# KiCad board temp sensor_panel.kicad_pcb (continued)
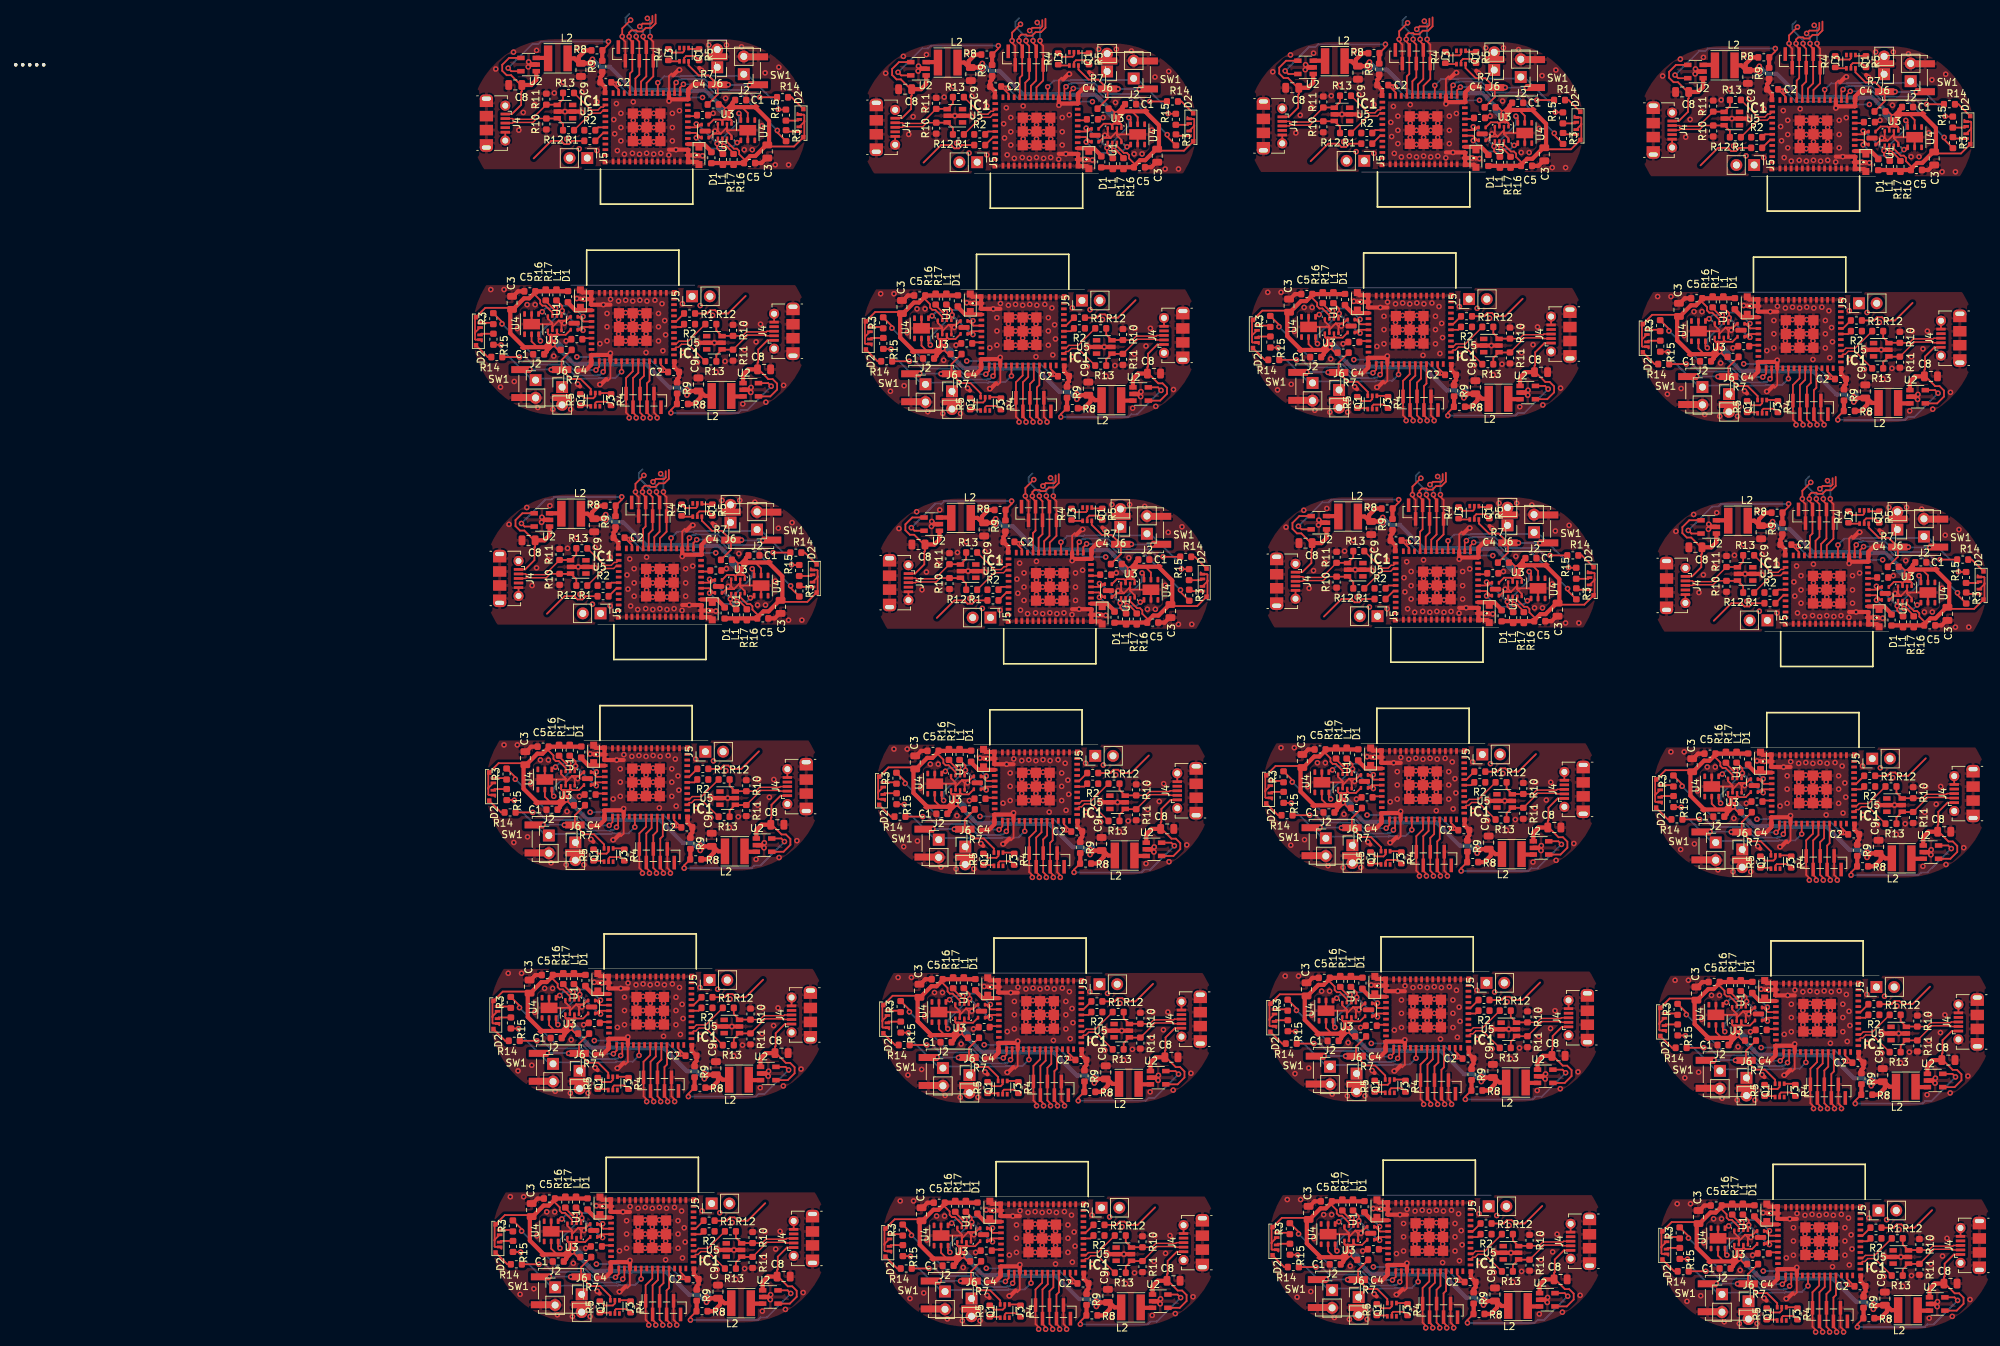
[diagram p0: board, top side]
## Placement (name value [footprint] x y rotation side) (continued)
SW1#24  SW_Push  [SW_Push_1P1T_NO_CK_KSC6xxJ]  54.41 -13.7 180 top
U1  SHTC3  [Sensirion_DFN-4-1EP_2x2mm_P1mm_EP0.7x1.6mm]  0.51 125.44 90 top
U1#2  SHTC3  [Sensirion_DFN-4-1EP_2x2mm_P1mm_EP0.7x1.6mm]  19.26 152.95 270 top
U1#3  SHTC3  [Sensirion_DFN-4-1EP_2x2mm_P1mm_EP0.7x1.6mm]  75.06 152.35 270 top
U1#4  SHTC3  [Sensirion_DFN-4-1EP_2x2mm_P1mm_EP0.7x1.6mm]  56.31 124.84 90 top
U1#5  SHTC3  [Sensirion_DFN-4-1EP_2x2mm_P1mm_EP0.7x1.6mm]  130.46 152.55 270 top
U1#6  SHTC3  [Sensirion_DFN-4-1EP_2x2mm_P1mm_EP0.7x1.6mm]  111.71 125.04 90 top
U1#7  SHTC3  [Sensirion_DFN-4-1EP_2x2mm_P1mm_EP0.7x1.6mm]  186.26 151.95 270 top
U1#8  SHTC3  [Sensirion_DFN-4-1EP_2x2mm_P1mm_EP0.7x1.6mm]  167.51 124.44 90 top
U1#9  SHTC3  [Sensirion_DFN-4-1EP_2x2mm_P1mm_EP0.7x1.6mm]  21.16 87.75 270 top
U1#10  SHTC3  [Sensirion_DFN-4-1EP_2x2mm_P1mm_EP0.7x1.6mm]  2.41 60.24 90 top
U1#11  SHTC3  [Sensirion_DFN-4-1EP_2x2mm_P1mm_EP0.7x1.6mm]  188.16 86.75 270 top
U1#12  SHTC3  [Sensirion_DFN-4-1EP_2x2mm_P1mm_EP0.7x1.6mm]  169.41 59.24 90 top
U1#13  SHTC3  [Sensirion_DFN-4-1EP_2x2mm_P1mm_EP0.7x1.6mm]  76.96 87.15 270 top
U1#14  SHTC3  [Sensirion_DFN-4-1EP_2x2mm_P1mm_EP0.7x1.6mm]  58.21 59.64 90 top
U1#15  SHTC3  [Sensirion_DFN-4-1EP_2x2mm_P1mm_EP0.7x1.6mm]  132.36 87.35 270 top
U1#16  SHTC3  [Sensirion_DFN-4-1EP_2x2mm_P1mm_EP0.7x1.6mm]  113.61 59.84 90 top
U1#17  SHTC3  [Sensirion_DFN-4-1EP_2x2mm_P1mm_EP0.7x1.6mm]  114.21 27.14 90 top
U1#18  SHTC3  [Sensirion_DFN-4-1EP_2x2mm_P1mm_EP0.7x1.6mm]  3.01 27.54 90 top
U1#19  SHTC3  [Sensirion_DFN-4-1EP_2x2mm_P1mm_EP0.7x1.6mm]  170.01 26.54 90 top
U1#20  SHTC3  [Sensirion_DFN-4-1EP_2x2mm_P1mm_EP0.7x1.6mm]  58.81 26.94 90 top
U1#21  SHTC3  [Sensirion_DFN-4-1EP_2x2mm_P1mm_EP0.7x1.6mm]  3.31 -4.46 90 top
U1#22  SHTC3  [Sensirion_DFN-4-1EP_2x2mm_P1mm_EP0.7x1.6mm]  114.51 -4.86 90 top
U1#23  SHTC3  [Sensirion_DFN-4-1EP_2x2mm_P1mm_EP0.7x1.6mm]  170.31 -5.46 90 top
U1#24  SHTC3  [Sensirion_DFN-4-1EP_2x2mm_P1mm_EP0.7x1.6mm]  59.11 -5.06 90 top
U2  TLV62569DBV  [SOT-23-5]  25.78 115.91 0 top
U2#2  TLV62569DBV  [SOT-23-5]  -6.02 162.48 180 top
U2#3  TLV62569DBV  [SOT-23-5]  49.78 161.88 180 top
U2#4  TLV62569DBV  [SOT-23-5]  81.58 115.31 0 top
U2#5  TLV62569DBV  [SOT-23-5]  105.18 162.08 180 top
U2#6  TLV62569DBV  [SOT-23-5]  136.98 115.51 0 top
U2#7  TLV62569DBV  [SOT-23-5]  160.98 161.48 180 top
U2#8  TLV62569DBV  [SOT-23-5]  192.78 114.91 0 top
U2#9  TLV62569DBV  [SOT-23-5]  -4.12 97.28 180 top
U2#10  TLV62569DBV  [SOT-23-5]  27.68 50.71 0 top
U2#11  TLV62569DBV  [SOT-23-5]  194.68 49.71 0 top
U2#12  TLV62569DBV  [SOT-23-5]  51.68 96.68 180 top
U2#13  TLV62569DBV  [SOT-23-5]  83.48 50.11 0 top
U2#14  TLV62569DBV  [SOT-23-5]  107.08 96.88 180 top
U2#15  TLV62569DBV  [SOT-23-5]  138.88 50.31 0 top
U2#16  TLV62569DBV  [SOT-23-5]  162.88 96.28 180 top
U2#17  TLV62569DBV  [SOT-23-5]  28.28 18.01 0 top
U2#18  TLV62569DBV  [SOT-23-5]  195.28 17.01 0 top
U2#19  TLV62569DBV  [SOT-23-5]  84.08 17.41 0 top
U2#20  TLV62569DBV  [SOT-23-5]  139.48 17.61 0 top
U2#21  TLV62569DBV  [SOT-23-5]  28.58 -13.99 0 top
U2#22  TLV62569DBV  [SOT-23-5]  195.58 -14.99 0 top
U2#23  TLV62569DBV  [SOT-23-5]  84.38 -14.59 0 top
U2#24  TLV62569DBV  [SOT-23-5]  139.78 -14.39 0 top
U3  BME280  [Bosch_LGA-8_2.5x2.5mm_P0.65mm_ClockwisePinNumbering]  -2.29 125.44 0 top
U3#2  BME280  [Bosch_LGA-8_2.5x2.5mm_P0.65mm_ClockwisePinNumbering]  22.05 152.95 180 top
U3#3  BME280  [Bosch_LGA-8_2.5x2.5mm_P0.65mm_ClockwisePinNumbering]  77.85 152.35 180 top
U3#4  BME280  [Bosch_LGA-8_2.5x2.5mm_P0.65mm_ClockwisePinNumbering]  53.51 124.84 0 top
U3#5  BME280  [Bosch_LGA-8_2.5x2.5mm_P0.65mm_ClockwisePinNumbering]  133.25 152.55 180 top
U3#6  BME280  [Bosch_LGA-8_2.5x2.5mm_P0.65mm_ClockwisePinNumbering]  108.91 125.04 0 top
U3#7  BME280  [Bosch_LGA-8_2.5x2.5mm_P0.65mm_ClockwisePinNumbering]  189.05 151.95 180 top
U3#8  BME280  [Bosch_LGA-8_2.5x2.5mm_P0.65mm_ClockwisePinNumbering]  164.71 124.44 0 top
U3#9  BME280  [Bosch_LGA-8_2.5x2.5mm_P0.65mm_ClockwisePinNumbering]  23.95 87.75 180 top
U3#10  BME280  [Bosch_LGA-8_2.5x2.5mm_P0.65mm_ClockwisePinNumbering]  -0.39 60.24 0 top
U3#11  BME280  [Bosch_LGA-8_2.5x2.5mm_P0.65mm_ClockwisePinNumbering]  190.95 86.75 180 top
U3#12  BME280  [Bosch_LGA-8_2.5x2.5mm_P0.65mm_ClockwisePinNumbering]  166.61 59.24 0 top
U3#13  BME280  [Bosch_LGA-8_2.5x2.5mm_P0.65mm_ClockwisePinNumbering]  79.75 87.15 180 top
U3#14  BME280  [Bosch_LGA-8_2.5x2.5mm_P0.65mm_ClockwisePinNumbering]  55.41 59.64 0 top
U3#15  BME280  [Bosch_LGA-8_2.5x2.5mm_P0.65mm_ClockwisePinNumbering]  135.15 87.35 180 top
U3#16  BME280  [Bosch_LGA-8_2.5x2.5mm_P0.65mm_ClockwisePinNumbering]  110.81 59.84 0 top
U3#17  BME280  [Bosch_LGA-8_2.5x2.5mm_P0.65mm_ClockwisePinNumbering]  111.41 27.14 0 top
U3#18  BME280  [Bosch_LGA-8_2.5x2.5mm_P0.65mm_ClockwisePinNumbering]  0.21 27.54 0 top
U3#19  BME280  [Bosch_LGA-8_2.5x2.5mm_P0.65mm_ClockwisePinNumbering]  167.21 26.54 0 top
U3#20  BME280  [Bosch_LGA-8_2.5x2.5mm_P0.65mm_ClockwisePinNumbering]  56.01 26.94 0 top
U3#21  BME280  [Bosch_LGA-8_2.5x2.5mm_P0.65mm_ClockwisePinNumbering]  0.51 -4.46 0 top
U3#22  BME280  [Bosch_LGA-8_2.5x2.5mm_P0.65mm_ClockwisePinNumbering]  111.71 -4.86 0 top
U3#23  BME280  [Bosch_LGA-8_2.5x2.5mm_P0.65mm_ClockwisePinNumbering]  167.51 -5.46 0 top
U3#24  BME280  [Bosch_LGA-8_2.5x2.5mm_P0.65mm_ClockwisePinNumbering]  56.31 -5.06 0 top
U4  Si7020-A20  [DFN-6-1EP_3x3mm_P1mm_EP1.5x2.4mm]  -5.59 125.31 270 top
U4#2  Si7020-A20  [DFN-6-1EP_3x3mm_P1mm_EP1.5x2.4mm]  25.35 153.08 90 top
U4#3  Si7020-A20  [DFN-6-1EP_3x3mm_P1mm_EP1.5x2.4mm]  81.15 152.48 90 top
U4#4  Si7020-A20  [DFN-6-1EP_3x3mm_P1mm_EP1.5x2.4mm]  50.21 124.71 270 top
U4#5  Si7020-A20  [DFN-6-1EP_3x3mm_P1mm_EP1.5x2.4mm]  136.55 152.68 90 top
U4#6  Si7020-A20  [DFN-6-1EP_3x3mm_P1mm_EP1.5x2.4mm]  105.61 124.91 270 top
U4#7  Si7020-A20  [DFN-6-1EP_3x3mm_P1mm_EP1.5x2.4mm]  192.35 152.08 90 top
U4#8  Si7020-A20  [DFN-6-1EP_3x3mm_P1mm_EP1.5x2.4mm]  161.41 124.31 270 top
U4#9  Si7020-A20  [DFN-6-1EP_3x3mm_P1mm_EP1.5x2.4mm]  27.25 87.88 90 top
U4#10  Si7020-A20  [DFN-6-1EP_3x3mm_P1mm_EP1.5x2.4mm]  -3.69 60.11 270 top
U4#11  Si7020-A20  [DFN-6-1EP_3x3mm_P1mm_EP1.5x2.4mm]  163.31 59.11 270 top
U4#12  Si7020-A20  [DFN-6-1EP_3x3mm_P1mm_EP1.5x2.4mm]  83.05 87.28 90 top
U4#13  Si7020-A20  [DFN-6-1EP_3x3mm_P1mm_EP1.5x2.4mm]  52.11 59.51 270 top
U4#14  Si7020-A20  [DFN-6-1EP_3x3mm_P1mm_EP1.5x2.4mm]  138.45 87.48 90 top
U4#15  Si7020-A20  [DFN-6-1EP_3x3mm_P1mm_EP1.5x2.4mm]  107.51 59.71 270 top
U4#16  Si7020-A20  [DFN-6-1EP_3x3mm_P1mm_EP1.5x2.4mm]  194.25 86.88 90 top
U4#17  Si7020-A20  [DFN-6-1EP_3x3mm_P1mm_EP1.5x2.4mm]  108.11 27.01 270 top
U4#18  Si7020-A20  [DFN-6-1EP_3x3mm_P1mm_EP1.5x2.4mm]  -3.09 27.41 270 top
U4#19  Si7020-A20  [DFN-6-1EP_3x3mm_P1mm_EP1.5x2.4mm]  163.91 26.41 270 top
U4#20  Si7020-A20  [DFN-6-1EP_3x3mm_P1mm_EP1.5x2.4mm]  52.71 26.81 270 top
U4#21  Si7020-A20  [DFN-6-1EP_3x3mm_P1mm_EP1.5x2.4mm]  164.21 -5.59 270 top
U4#22  Si7020-A20  [DFN-6-1EP_3x3mm_P1mm_EP1.5x2.4mm]  108.41 -4.99 270 top
U4#23  Si7020-A20  [DFN-6-1EP_3x3mm_P1mm_EP1.5x2.4mm]  -2.79 -4.59 270 top
U4#24  Si7020-A20  [DFN-6-1EP_3x3mm_P1mm_EP1.5x2.4mm]  53.01 -5.19 270 top
U5  SN65220  [SOT-23-6]  20.57 122.64 0 top
U5#2  SN65220  [SOT-23-6]  -0.81 155.75 180 top
U5#3  SN65220  [SOT-23-6]  54.99 155.15 180 top
U5#4  SN65220  [SOT-23-6]  76.37 122.04 0 top
U5#5  SN65220  [SOT-23-6]  110.39 155.35 180 top
U5#6  SN65220  [SOT-23-6]  131.77 122.25 0 top
U5#7  SN65220  [SOT-23-6]  187.57 121.64 0 top
U5#8  SN65220  [SOT-23-6]  166.19 154.75 180 top
U5#9  SN65220  [SOT-23-6]  1.09 90.55 180 top
U5#10  SN65220  [SOT-23-6]  22.47 57.44 0 top
U5#11  SN65220  [SOT-23-6]  189.47 56.44 0 top
U5#12  SN65220  [SOT-23-6]  168.09 89.55 180 top
U5#13  SN65220  [SOT-23-6]  78.27 56.84 0 top
U5#14  SN65220  [SOT-23-6]  56.89 89.95 180 top
U5#15  SN65220  [SOT-23-6]  112.29 90.15 180 top
U5#16  SN65220  [SOT-23-6]  133.67 57.05 0 top
U5#17  SN65220  [SOT-23-6]  134.27 24.34 0 top
U5#18  SN65220  [SOT-23-6]  23.07 24.75 0 top
U5#19  SN65220  [SOT-23-6]  190.07 23.75 0 top
U5#20  SN65220  [SOT-23-6]  78.87 24.15 0 top
U5#21  SN65220  [SOT-23-6]  23.37 -7.25 0 top
U5#22  SN65220  [SOT-23-6]  190.37 -8.25 0 top
U5#23  SN65220  [SOT-23-6]  134.57 -7.66 0 top
U5#24  SN65220  [SOT-23-6]  79.17 -7.85 0 top

## Footprints (pads in the part's own frame, mm; a bottom-side part is the same pattern mirrored in y, then rotated)
Bosch_LGA-8_2.5x2.5mm_P0.65mm_ClockwisePinNumbering
  rect 0.35x0.5 smd: 1(-0.975,1.025) 2(-0.325,1.025) 3(0.325,1.025) 4(0.975,1.025) 5(0.975,-1.025) 6(0.325,-1.025) 7(-0.325,-1.025) 8(-0.975,-1.025)
C_0603_1608Metric
  rrect 0.875x0.95 smd: 1(-0.787,0) 2(0.787,0)
C_0805_2012Metric
  rrect 0.975x1.4 smd: 1(-0.938,0) 2(0.938,0)
D_SOD-323_HandSoldering
  rect 1x1 smd: 1(-1.25,0) 2(1.25,0)
DFN-6-1EP_3x3mm_P1mm_EP1.5x2.4mm
  rrect 0.6x0.97 smd: (-0.375,0.6) (-0.375,-0.6) (0.375,0.6) (0.375,-0.6)
  rrect 0.8x0.4 smd: 1(-1.45,1) 2(-1.45,0) 3(-1.45,-1) 4(1.45,-1) 5(1.45,0) 6(1.45,1)
  rect 1.5x2.4 smd: 7(0,0)
ESP32C3MINI1
  rect 0.8x0.4 smd: 1(-5.9,1.3) 2(-5.9,0.5) 3(-5.9,-0.3) 4(-5.9,-1.1) 5(-5.9,-1.9) 6(-5.9,-2.7) 7(-5.9,-3.5) 8(-5.9,-4.3) 9(-5.9,-5.1) 10(-5.9,-5.9) 11(-5.9,-6.7) 25(5.9,-6.7) 26(5.9,-5.9) 27(5.9,-5.1) 28(5.9,-4.3) 29(5.9,-3.5) 30(5.9,-2.7) 31(5.9,-1.9) 32(5.9,-1.1) 33(5.9,-0.3) 34(5.9,0.5) 35(5.9,1.3)
  rect 0.4x0.8 smd: 12(-4.8,-7.6) 13(-4,-7.6) 14(-3.2,-7.6) 15(-2.4,-7.6) 16(-1.6,-7.6) 17(-0.8,-7.6) 18(0,-7.6) 19(0.8,-7.6) 20(1.6,-7.6) 21(2.4,-7.6) 22(3.2,-7.6) 23(4,-7.6) 24(4.8,-7.6) 36(4.8,2.2) 37(4,2.2) 38(3.2,2.2) 39(2.4,2.2) 40(1.6,2.2) 41(0.8,2.2) 42(0,2.2) 43(-0.8,2.2) 44(-1.6,2.2) 45(-2.4,2.2) 46(-3.2,2.2) 47(-4,2.2) 48(-4.8,2.2)
  rect 1.45x1.45 smd: 49(0,-2.7) 54(-1.975,-0.725) 55(-1.975,-2.7) 56(-1.975,-4.675) 57(0,-4.675) 58(1.975,-4.675) 59(1.975,-2.7) 60(1.975,-0.725) 61(0,-0.725)
  rect 0.7x0.7 smd: 50(5.95,2.25) 51(5.95,-7.65) 52(-5.95,-7.65) 53(-5.95,2.25)
L_0603_1608Metric
  rrect 0.875x0.95 smd: 1(-0.787,0) 2(0.787,0)
L_Taiyo-Yuden_MD-4040
  rect 1.2x3.7 smd: 1(-1.4,0) 2(1.4,0)
LED_Cree-PLCC6_4.7x1.5mm
  rect 0.66x0.63 smd: 1(-2.02,-0.335) 6(2.02,-0.335)
  rect 0.4x0.8 smd: 2(-1.21,0.25) 3(-0.53,0.25) 4(0.53,0.25) 5(1.21,0.25)
PinHeader_1x02_P2.54mm_Vertical
  rect 1.7x1.7 hole 1: 1(0,0)
  oval 1.7x1.7 hole 1: 2(0,-2.54)
PinSocket_1x06_P1.00mm_Vertical_SMD_Pin1Right
  rect 1.95x0.5 smd: 1(0.975,2.5) 2(-0.975,1.5) 3(0.975,0.5) 4(-0.975,-0.5) 5(0.975,-1.5) 6(-0.975,-2.5)
R_0603_1608Metric
  rrect 0.875x0.95 smd: 1(-0.787,0) 2(0.787,0)
R_0603_1608Metric#2
  rrect 0.8x0.95 smd: 1(-0.825,0) 2(0.825,0)
Sensirion_DFN-4-1EP_2x2mm_P1mm_EP0.7x1.6mm
  rrect 0.55x0.35 smd: (-1.025,0.5) (-1.025,-0.5) (1.025,0.5) (1.025,-0.5) 1(-0.925,0.5) 2(-0.925,-0.5) 3(0.925,-0.5) 4(0.925,0.5)
  rrect 0.5x1.4 smd: (0,0)
  rrect 0.7x1.6 smd: 5(0,0)
SINGLE_SIDED_TAB
  round 0.5 hole 0.5 unplated: (-2,1.05) (-1,1.05) (0,1.05) (1,1.05) (2,1.05)
SOT-23-5
  rect 1.06x0.65 smd: 1(-1.1,0.95) 2(-1.1,0) 3(-1.1,-0.95) 4(1.1,-0.95) 5(1.1,0.95)
SOT-23-6
  rect 1.06x0.65 smd: 1(-1.1,0.95) 2(-1.1,0) 3(-1.1,-0.95) 4(1.1,-0.95) 5(1.1,0) 6(1.1,0.95)
SOT-363_SC-70-6
  rect 0.65x0.4 smd: 1(-0.95,0.65) 2(-0.95,0) 3(-0.95,-0.65) 4(0.95,-0.65) 5(0.95,0) 6(0.95,0.65)
SW_Push_1P1T_NO_CK_KSC6xxJ
  rect 2.8x1 smd: 1(-2.9,2) 1(2.9,2) 2(-2.9,-2) 2(2.9,-2)
USB_Micro-B_Molex-105017-0001
  rect 0.4x1.35 smd: 1(-1.3,1.462) 2(-0.65,1.462) 3(0,1.462) 4(0.65,1.462) 5(1.3,1.462)
  oval 1.2x1.9 hole 0.6x1.3: 6(-3.5,-1.238) 6(3.5,-1.238)
  rect 1.2x1.9 smd: 6(-2.9,-1.238) 6(2.9,-1.238)
  round 1.45 hole 0.85: 6(-2.5,1.462) 6(2.5,1.462)
  rect 1.5x1.9 smd: 6(-1,-1.238) 6(1,-1.238)

## Nets
+3V3: C1.1 C1#2.1 C1#3.1 C1#4.1 C1#5.1 C1#6.1 C1#7.1 C1#8.1 C1#9.1 C1#10.1 C1#11.1 C1#12.1 C1#13.1 C1#14.1 C1#15.1 C1#16.1 C1#17.1 C1#18.1 C1#19.1 C1#20.1 C1#21.1 C1#22.1 C1#23.1 C1#24.1 C3.1 C3#2.1 C3#3.1 C3#4.1 C3#5.1 C3#6.1 C3#7.1 C3#8.1 C3#9.1 C3#10.1 C3#11.1 C3#12.1 C3#13.1 C3#14.1 C3#15.1 C3#16.1 C3#17.1 C3#18.1 C3#19.1 C3#20.1 C3#21.1 C3#22.1 C3#23.1 C3#24.1 C5.1 C5#2.1 C5#3.1 C5#4.1 C5#5.1 C5#6.1 C5#7.1 C5#8.1 C5#9.1 C5#10.1 C5#11.1 C5#12.1 C5#13.1 C5#14.1 C5#15.1 C5#16.1 C5#17.1 C5#18.1 C5#19.1 C5#20.1 C5#21.1 C5#22.1 C5#23.1 C5#24.1 C9.1 C9#2.1 C9#3.1 C9#4.1 C9#5.1 C9#6.1 C9#7.1 C9#8.1 C9#9.1 C9#10.1 C9#11.1 C9#12.1 C9#13.1 C9#14.1 C9#15.1 C9#16.1 C9#17.1 C9#18.1 C9#19.1 C9#20.1 C9#21.1 C9#22.1 C9#23.1 C9#24.1 D2.1 D2.3 D2.5 D2#2.1 D2#2.3 D2#2.5 D2#3.1 D2#3.3 D2#3.5 D2#4.1 D2#4.3 D2#4.5 D2#5.1 D2#5.3 D2#5.5 D2#6.1 D2#6.3 D2#6.5 D2#7.1 D2#7.3 D2#7.5 D2#8.1 D2#8.3 D2#8.5 D2#9.1 D2#9.3 D2#9.5 D2#10.1 D2#10.3 D2#10.5 D2#11.1 D2#11.3 D2#11.5 D2#12.1 D2#12.3 D2#12.5 D2#13.1 D2#13.3 D2#13.5 D2#14.1 D2#14.3 D2#14.5 D2#15.1 D2#15.3 D2#15.5 D2#16.1 D2#16.3 D2#16.5 D2#17.1 D2#17.3 D2#17.5 D2#18.1 D2#18.3 D2#18.5 D2#19.1 D2#19.3 D2#19.5 D2#20.1 D2#20.3 D2#20.5 D2#21.1 D2#21.3 D2#21.5 D2#22.1 D2#22.3 D2#22.5 D2#23.1 D2#23.3 D2#23.5 D2#24.1 D2#24.3 D2#24.5 J2.1 J2#2.1 J2#3.1 J2#4.1 J2#5.1 J2#6.1 J2#7.1 J2#8.1 J2#9.1 J2#10.1 J2#11.1 J2#12.1 J2#13.1 J2#14.1 J2#15.1 J2#16.1 J2#17.1 J2#18.1 J2#19.1 J2#20.1 J2#21.1 J2#22.1 J2#23.1 J2#24.1 L1.1 L1#2.1 L1#3.1 L1#4.1 L1#5.1 L1#6.1 L1#7.1 L1#8.1 L1#9.1 L1#10.1 L1#11.1 L1#12.1 L1#13.1 L1#14.1 L1#15.1 L1#16.1 L1#17.1 L1#18.1 L1#19.1 L1#20.1 L1#21.1 L1#22.1 L1#23.1 L1#24.1 L2.2 L2#2.2 L2#3.2 L2#4.2 L2#5.2 L2#6.2 L2#7.2 L2#8.2 L2#9.2 L2#10.2 L2#11.2 L2#12.2 L2#13.2 L2#14.2 L2#15.2 L2#16.2 L2#17.2 L2#18.2 L2#19.2 L2#20.2 L2#21.2 L2#22.2 L2#23.2 L2#24.2 R7.2 R7#2.2 R7#3.2 R7#4.2 R7#5.2 R7#6.2 R7#7.2 R7#8.2 R7#9.2 R7#10.2 R7#11.2 R7#12.2 R7#13.2 R7#14.2 R7#15.2 R7#16.2 R7#17.2 R7#18.2 R7#19.2 R7#20.2 R7#21.2 R7#22.2 R7#23.2 R7#24.2 R8.2 R8#2.2 R8#3.2 R8#4.2 R8#5.2 R8#6.2 R8#7.2 R8#8.2 R8#9.2 R8#10.2 R8#11.2 R8#12.2 R8#13.2 R8#14.2 R8#15.2 R8#16.2 R8#17.2 R8#18.2 R8#19.2 R8#20.2 R8#21.2 R8#22.2 R8#23.2 R8#24.2 R16.2 R16#2.2 R16#3.2 R16#4.2 R16#5.2 R16#6.2 R16#7.2 R16#8.2 R16#9.2 R16#10.2 R16#11.2 R16#12.2 R16#13.2 R16#14.2 R16#15.2 R16#16.2 R16#17.2 R16#18.2 R16#19.2 R16#20.2 R16#21.2 R16#22.2 R16#23.2 R16#24.2 R17.2 R17#2.2 R17#3.2 R17#4.2 R17#5.2 R17#6.2 R17#7.2 R17#8.2 R17#9.2 R17#10.2 R17#11.2 R17#12.2 R17#13.2 R17#14.2 R17#15.2 R17#16.2 R17#17.2 R17#18.2 R17#19.2 R17#20.2 R17#21.2 R17#22.2 R17#23.2 R17#24.2 U1.1 U1#2.1 U1#3.1 U1#4.1 U1#5.1 U1#6.1 U1#7.1 U1#8.1 U1#9.1 U1#10.1 U1#11.1 U1#12.1 U1#13.1 U1#14.1 U1#15.1 U1#16.1 U1#17.1 U1#18.1 U1#19.1 U1#20.1 U1#21.1 U1#22.1 U1#23.1 U1#24.1 U3.2 U3.6 U3.8 U3#2.2 U3#2.6 U3#2.8 U3#3.2 U3#3.6 U3#3.8 U3#4.2 U3#4.6 U3#4.8 U3#5.2 U3#5.6 U3#5.8 U3#6.2 U3#6.6 U3#6.8 U3#7.2 U3#7.6 U3#7.8 U3#8.2 U3#8.6 U3#8.8 U3#9.2 U3#9.6 U3#9.8 U3#10.2 U3#10.6 U3#10.8 U3#11.2 U3#11.6 U3#11.8 U3#12.2 U3#12.6 U3#12.8 U3#13.2 U3#13.6 U3#13.8 U3#14.2 U3#14.6 U3#14.8 U3#15.2 U3#15.6 U3#15.8 U3#16.2 U3#16.6 U3#16.8 U3#17.2 U3#17.6 U3#17.8 U3#18.2 U3#18.6 U3#18.8 U3#19.2 U3#19.6 U3#19.8 U3#20.2 U3#20.6 U3#20.8 U3#21.2 U3#21.6 U3#21.8 U3#22.2 U3#22.6 U3#22.8 U3#23.2 U3#23.6 U3#23.8 U3#24.2 U3#24.6 U3#24.8 U4.5 U4#2.5 U4#3.5 U4#4.5 U4#5.5 U4#6.5 U4#7.5 U4#8.5 U4#9.5 U4#10.5 U4#11.5 U4#12.5 U4#13.5 U4#14.5 U4#15.5 U4#16.5 U4#17.5 U4#18.5 U4#19.5 U4#20.5 U4#21.5 U4#22.5 U4#23.5 U4#24.5
+5V: C8.1 C8#2.1 C8#3.1 C8#4.1 C8#5.1 C8#6.1 C8#7.1 C8#8.1 C8#9.1 C8#10.1 C8#11.1 C8#12.1 C8#13.1 C8#14.1 C8#15.1 C8#16.1 C8#17.1 C8#18.1 C8#19.1 C8#20.1 C8#21.1 C8#22.1 C8#23.1 C8#24.1 J4.1 J4#2.1 J4#3.1 J4#4.1 J4#5.1 J4#6.1 J4#7.1 J4#8.1 J4#9.1 J4#10.1 J4#11.1 J4#12.1 J4#13.1 J4#14.1 J4#15.1 J4#16.1 J4#17.1 J4#18.1 J4#19.1 J4#20.1 J4#21.1 J4#22.1 J4#23.1 J4#24.1 U2.1 U2.4 U2#2.1 U2#2.4 U2#3.1 U2#3.4 U2#4.1 U2#4.4 U2#5.1 U2#5.4 U2#6.1 U2#6.4 U2#7.1 U2#7.4 U2#8.1 U2#8.4 U2#9.1 U2#9.4 U2#10.1 U2#10.4 U2#11.1 U2#11.4 U2#12.1 U2#12.4 U2#13.1 U2#13.4 U2#14.1 U2#14.4 U2#15.1 U2#15.4 U2#16.1 U2#16.4 U2#17.1 U2#17.4 U2#18.1 U2#18.4 U2#19.1 U2#19.4 U2#20.1 U2#20.4 U2#21.1 U2#21.4 U2#22.1 U2#22.4 U2#23.1 U2#23.4 U2#24.1 U2#24.4
/3v3: D1.1 D1#2.1 D1#3.1 D1#4.1 D1#5.1 D1#6.1 D1#7.1 D1#8.1 D1#9.1 D1#10.1 D1#11.1 D1#12.1 D1#13.1 D1#14.1 D1#15.1 D1#16.1 D1#17.1 D1#18.1 D1#19.1 D1#20.1 D1#21.1 D1#22.1 D1#23.1 D1#24.1 IC1.3 IC1#2.3 IC1#3.3 IC1#4.3 IC1#5.3 IC1#6.3 IC1#7.3 IC1#8.3 IC1#9.3 IC1#10.3 IC1#11.3 IC1#12.3 IC1#13.3 IC1#14.3 IC1#15.3 IC1#16.3 IC1#17.3 IC1#18.3 IC1#19.3 IC1#20.3 IC1#21.3 IC1#22.3 IC1#23.3 IC1#24.3 L1.2 L1#2.2 L1#3.2 L1#4.2 L1#5.2 L1#6.2 L1#7.2 L1#8.2 L1#9.2 L1#10.2 L1#11.2 L1#12.2 L1#13.2 L1#14.2 L1#15.2 L1#16.2 L1#17.2 L1#18.2 L1#19.2 L1#20.2 L1#21.2 L1#22.2 L1#23.2 L1#24.2
GND: C1.2 C1#2.2 C1#3.2 C1#4.2 C1#5.2 C1#6.2 C1#7.2 C1#8.2 C1#9.2 C1#10.2 C1#11.2 C1#12.2 C1#13.2 C1#14.2 C1#15.2 C1#16.2 C1#17.2 C1#18.2 C1#19.2 C1#20.2 C1#21.2 C1#22.2 C1#23.2 C1#24.2 C2.2 C2#2.2 C2#3.2 C2#4.2 C2#5.2 C2#6.2 C2#7.2 C2#8.2 C2#9.2 C2#10.2 C2#11.2 C2#12.2 C2#13.2 C2#14.2 C2#15.2 C2#16.2 C2#17.2 C2#18.2 C2#19.2 C2#20.2 C2#21.2 C2#22.2 C2#23.2 C2#24.2 C3.2 C3#2.2 C3#3.2 C3#4.2 C3#5.2 C3#6.2 C3#7.2 C3#8.2 C3#9.2 C3#10.2 C3#11.2 C3#12.2 C3#13.2 C3#14.2 C3#15.2 C3#16.2 C3#17.2 C3#18.2 C3#19.2 C3#20.2 C3#21.2 C3#22.2 C3#23.2 C3#24.2 C4.1 C4#2.1 C4#3.1 C4#4.1 C4#5.1 C4#6.1 C4#7.1 C4#8.1 C4#9.1 C4#10.1 C4#11.1 C4#12.1 C4#13.1 C4#14.1 C4#15.1 C4#16.1 C4#17.1 C4#18.1 C4#19.1 C4#20.1 C4#21.1 C4#22.1 C4#23.1 C4#24.1 C5.2 C5#2.2 C5#3.2 C5#4.2 C5#5.2 C5#6.2 C5#7.2 C5#8.2 C5#9.2 C5#10.2 C5#11.2 C5#12.2 C5#13.2 C5#14.2 C5#15.2 C5#16.2 C5#17.2 C5#18.2 C5#19.2 C5#20.2 C5#21.2 C5#22.2 C5#23.2 C5#24.2 C8.2 C8#2.2 C8#3.2 C8#4.2 C8#5.2 C8#6.2 C8#7.2 C8#8.2 C8#9.2 C8#10.2 C8#11.2 C8#12.2 C8#13.2 C8#14.2 C8#15.2 C8#16.2 C8#17.2 C8#18.2 C8#19.2 C8#20.2 C8#21.2 C8#22.2 C8#23.2 C8#24.2 C9.2 C9#2.2 C9#3.2 C9#4.2 C9#5.2 C9#6.2 C9#7.2 C9#8.2 C9#9.2 C9#10.2 C9#11.2 C9#12.2 C9#13.2 C9#14.2 C9#15.2 C9#16.2 C9#17.2 C9#18.2 C9#19.2 C9#20.2 C9#21.2 C9#22.2 C9#23.2 C9#24.2 D1.2 D1#2.2 D1#3.2 D1#4.2 D1#5.2 D1#6.2 D1#7.2 D1#8.2 D1#9.2 D1#10.2 D1#11.2 D1#12.2 D1#13.2 D1#14.2 D1#15.2 D1#16.2 D1#17.2 D1#18.2 D1#19.2 D1#20.2 D1#21.2 D1#22.2 D1#23.2 D1#24.2 IC1.1 IC1.2 IC1.11 IC1.14 IC1.36 IC1.37 IC1.38 IC1.39 IC1.40 IC1.41 IC1.42 IC1.43 IC1.44 IC1.45 IC1.46 IC1.47 IC1.48 IC1.49 IC1.50 IC1.51 IC1.52 IC1.53 IC1.54 IC1.55 IC1.56 IC1.57 IC1.58 IC1.59 IC1.60 IC1.61 IC1#2.1 IC1#2.2 IC1#2.11 IC1#2.14 IC1#2.36 IC1#2.37 IC1#2.38 IC1#2.39 IC1#2.40 IC1#2.41 IC1#2.42 IC1#2.43 IC1#2.44 IC1#2.45 IC1#2.46 IC1#2.47 IC1#2.48 IC1#2.49 IC1#2.50 IC1#2.51 IC1#2.52 IC1#2.53 IC1#2.54 IC1#2.55 IC1#2.56 IC1#2.57 IC1#2.58 IC1#2.59 IC1#2.60 IC1#2.61 IC1#3.1 IC1#3.2 IC1#3.11 IC1#3.14 IC1#3.36 IC1#3.37 IC1#3.38 IC1#3.39 IC1#3.40 IC1#3.41 IC1#3.42 IC1#3.43 IC1#3.44 IC1#3.45 IC1#3.46 IC1#3.47 IC1#3.48 IC1#3.49 IC1#3.50 IC1#3.51 IC1#3.52 IC1#3.53 IC1#3.54 IC1#3.55 IC1#3.56 IC1#3.57 IC1#3.58 IC1#3.59 IC1#3.60 IC1#3.61 IC1#4.1 IC1#4.2 IC1#4.11 IC1#4.14 IC1#4.36 IC1#4.37 IC1#4.38 IC1#4.39 IC1#4.40 IC1#4.41 IC1#4.42 IC1#4.43 IC1#4.44 IC1#4.45 IC1#4.46 IC1#4.47 IC1#4.48 IC1#4.49 IC1#4.50 IC1#4.51 IC1#4.52 IC1#4.53 IC1#4.54 IC1#4.55 IC1#4.56 IC1#4.57 IC1#4.58 IC1#4.59 IC1#4.60 IC1#4.61 IC1#5.1 IC1#5.2 IC1#5.11 IC1#5.14 IC1#5.36 IC1#5.37 IC1#5.38 IC1#5.39 IC1#5.40 IC1#5.41 IC1#5.42 IC1#5.43 IC1#5.44 IC1#5.45 IC1#5.46 IC1#5.47 IC1#5.48 IC1#5.49 IC1#5.50 IC1#5.51 IC1#5.52 IC1#5.53 IC1#5.54 IC1#5.55 IC1#5.56 IC1#5.57 IC1#5.58 IC1#5.59 IC1#5.60 IC1#5.61 IC1#6.1 IC1#6.2 IC1#6.11 IC1#6.14 IC1#6.36 IC1#6.37 IC1#6.38 IC1#6.39 IC1#6.40 IC1#6.41 IC1#6.42 IC1#6.43 IC1#6.44 IC1#6.45 IC1#6.46 IC1#6.47 IC1#6.48 IC1#6.49 IC1#6.50 IC1#6.51 IC1#6.52 IC1#6.53 IC1#6.54 IC1#6.55 IC1#6.56 IC1#6.57 IC1#6.58 IC1#6.59 IC1#6.60 IC1#6.61 IC1#7.1 IC1#7.2 IC1#7.11 IC1#7.14 IC1#7.36 IC1#7.37 IC1#7.38 IC1#7.39 IC1#7.40 IC1#7.41 IC1#7.42 IC1#7.43 IC1#7.44 IC1#7.45 IC1#7.46 IC1#7.47 IC1#7.48 IC1#7.49 IC1#7.50 IC1#7.51 IC1#7.52 IC1#7.53 IC1#7.54 IC1#7.55 IC1#7.56 IC1#7.57 IC1#7.58 IC1#7.59 IC1#7.60 IC1#7.61 IC1#8.1 IC1#8.2 IC1#8.11 IC1#8.14 IC1#8.36 IC1#8.37 IC1#8.38 IC1#8.39 IC1#8.40 IC1#8.41 IC1#8.42 IC1#8.43 IC1#8.44 IC1#8.45 IC1#8.46 IC1#8.47 IC1#8.48 IC1#8.49 IC1#8.50 IC1#8.51 IC1#8.52 IC1#8.53 IC1#8.54 IC1#8.55 IC1#8.56 IC1#8.57 IC1#8.58 IC1#8.59 IC1#8.60 IC1#8.61 IC1#9.1 IC1#9.2 IC1#9.11 IC1#9.14 IC1#9.36 IC1#9.37 IC1#9.38 IC1#9.39 IC1#9.40 IC1#9.41 IC1#9.42 IC1#9.43 IC1#9.44 IC1#9.45 IC1#9.46 IC1#9.47 IC1#9.48 IC1#9.49 IC1#9.50 IC1#9.51 IC1#9.52 IC1#9.53 IC1#9.54 IC1#9.55 IC1#9.56 IC1#9.57 IC1#9.58 IC1#9.59 IC1#9.60 IC1#9.61 IC1#10.1 IC1#10.2 IC1#10.11 IC1#10.14 IC1#10.36 IC1#10.37 IC1#10.38 IC1#10.39 IC1#10.40 IC1#10.41 IC1#10.42 IC1#10.43 IC1#10.44 IC1#10.45 IC1#10.46 IC1#10.47 IC1#10.48 IC1#10.49 IC1#10.50 IC1#10.51 IC1#10.52 IC1#10.53 IC1#10.54 IC1#10.55 IC1#10.56 IC1#10.57 IC1#10.58 IC1#10.59 IC1#10.60 IC1#10.61 IC1#11.1 IC1#11.2 IC1#11.11 IC1#11.14 IC1#11.36 IC1#11.37 IC1#11.38 IC1#11.39 IC1#11.40 IC1#11.41 IC1#11.42 IC1#11.43 IC1#11.44 IC1#11.45 IC1#11.46 IC1#11.47 IC1#11.48 IC1#11.49 IC1#11.50 IC1#11.51 IC1#11.52 IC1#11.53 IC1#11.54 IC1#11.55 IC1#11.56 IC1#11.57 IC1#11.58 IC1#11.59 IC1#11.60 IC1#11.61 IC1#12.1 IC1#12.2 IC1#12.11 IC1#12.14 IC1#12.36 IC1#12.37 IC1#12.38 IC1#12.39 IC1#12.40 IC1#12.41 IC1#12.42 IC1#12.43 IC1#12.44 IC1#12.45 IC1#12.46 IC1#12.47 IC1#12.48 IC1#12.49 IC1#12.50 IC1#12.51 IC1#12.52 IC1#12.53 IC1#12.54 IC1#12.55 IC1#12.56 IC1#12.57 IC1#12.58 IC1#12.59 IC1#12.60 IC1#12.61 IC1#13.1 IC1#13.2 IC1#13.11 IC1#13.14 IC1#13.36 IC1#13.37 IC1#13.38 IC1#13.39 IC1#13.40 IC1#13.41 IC1#13.42 IC1#13.43 IC1#13.44 IC1#13.45 IC1#13.46 IC1#13.47 IC1#13.48 IC1#13.49 IC1#13.50 IC1#13.51 IC1#13.52 IC1#13.53 IC1#13.54 IC1#13.55 IC1#13.56 IC1#13.57 IC1#13.58 IC1#13.59 IC1#13.60 IC1#13.61 IC1#14.1 IC1#14.2 IC1#14.11 IC1#14.14 IC1#14.36 IC1#14.37 IC1#14.38 IC1#14.39 IC1#14.40 IC1#14.41 IC1#14.42 IC1#14.43 IC1#14.44 IC1#14.45 IC1#14.46 IC1#14.47 IC1#14.48 IC1#14.49 IC1#14.50 IC1#14.51 IC1#14.52 IC1#14.53 IC1#14.54 IC1#14.55 IC1#14.56 IC1#14.57 IC1#14.58 IC1#14.59 IC1#14.60 IC1#14.61 IC1#15.1 IC1#15.2 IC1#15.11 IC1#15.14 IC1#15.36 IC1#15.37 IC1#15.38 IC1#15.39 IC1#15.40 IC1#15.41 IC1#15.42 IC1#15.43 IC1#15.44 IC1#15.45 IC1#15.46 IC1#15.47 IC1#15.48 IC1#15.49 IC1#15.50 IC1#15.51 IC1#15.52 IC1#15.53 IC1#15.54 IC1#15.55 IC1#15.56 IC1#15.57 IC1#15.58 IC1#15.59 IC1#15.60 IC1#15.61 IC1#16.1 IC1#16.2 IC1#16.11 IC1#16.14 IC1#16.36 IC1#16.37 IC1#16.38 IC1#16.39 IC1#16.40 IC1#16.41 IC1#16.42 IC1#16.43 IC1#16.44 IC1#16.45 IC1#16.46 IC1#16.47 IC1#16.48 IC1#16.49 IC1#16.50 IC1#16.51 IC1#16.52 IC1#16.53 IC1#16.54 IC1#16.55 IC1#16.56 IC1#16.57 IC1#16.58 IC1#16.59 IC1#16.60 IC1#16.61 IC1#17.1 IC1#17.2 IC1#17.11 IC1#17.14 IC1#17.36 IC1#17.37 IC1#17.38 IC1#17.39 IC1#17.40 IC1#17.41 IC1#17.42 IC1#17.43 IC1#17.44 IC1#17.45 IC1#17.46 IC1#17.47 IC1#17.48 IC1#17.49 IC1#17.50 IC1#17.51 IC1#17.52 IC1#17.53 IC1#17.54 IC1#17.55 IC1#17.56 IC1#17.57 IC1#17.58 IC1#17.59 IC1#17.60 IC1#17.61 IC1#18.1 IC1#18.2 IC1#18.11 IC1#18.14 IC1#18.36 IC1#18.37 IC1#18.38 IC1#18.39 IC1#18.40 IC1#18.41 IC1#18.42 IC1#18.43 IC1#18.44 IC1#18.45 IC1#18.46 IC1#18.47 IC1#18.48 IC1#18.49 IC1#18.50 IC1#18.51 IC1#18.52 IC1#18.53 IC1#18.54 IC1#18.55 IC1#18.56 IC1#18.57 IC1#18.58 IC1#18.59 IC1#18.60 IC1#18.61 IC1#19.1 IC1#19.2 IC1#19.11 IC1#19.14 IC1#19.36 IC1#19.37 IC1#19.38 IC1#19.39 IC1#19.40 IC1#19.41 IC1#19.42 IC1#19.43 IC1#19.44 IC1#19.45 IC1#19.46 IC1#19.47 IC1#19.48 IC1#19.49 IC1#19.50 IC1#19.51 IC1#19.52 IC1#19.53 IC1#19.54 IC1#19.55 IC1#19.56 IC1#19.57 IC1#19.58 IC1#19.59 IC1#19.60 IC1#19.61 IC1#20.1 IC1#20.2 IC1#20.11 IC1#20.14 IC1#20.36 IC1#20.37 IC1#20.38 IC1#20.39 IC1#20.40 IC1#20.41 IC1#20.42 IC1#20.43 IC1#20.44 IC1#20.45 IC1#20.46 IC1#20.47 IC1#20.48 IC1#20.49 IC1#20.50 IC1#20.51 IC1#20.52 IC1#20.53 IC1#20.54 IC1#20.55 IC1#20.56 IC1#20.57 IC1#20.58 IC1#20.59 IC1#20.60 IC1#20.61 IC1#21.1 IC1#21.2 IC1#21.11 IC1#21.14 IC1#21.36 IC1#21.37 IC1#21.38 IC1#21.39 IC1#21.40 IC1#21.41 IC1#21.42 IC1#21.43 IC1#21.44 IC1#21.45 IC1#21.46 IC1#21.47 IC1#21.48 IC1#21.49 IC1#21.50 IC1#21.51 IC1#21.52 IC1#21.53 IC1#21.54 IC1#21.55 IC1#21.56 IC1#21.57 IC1#21.58 IC1#21.59 IC1#21.60 IC1#21.61 IC1#22.1 IC1#22.2 IC1#22.11 IC1#22.14 IC1#22.36 IC1#22.37 IC1#22.38 IC1#22.39 IC1#22.40 IC1#22.41 IC1#22.42 IC1#22.43 IC1#22.44 IC1#22.45 IC1#22.46 IC1#22.47 IC1#22.48 IC1#22.49 IC1#22.50 IC1#22.51 IC1#22.52 IC1#22.53 IC1#22.54 IC1#22.55 IC1#22.56 IC1#22.57 IC1#22.58 IC1#22.59 IC1#22.60 IC1#22.61 IC1#23.1 IC1#23.2 IC1#23.11 IC1#23.14 IC1#23.36 IC1#23.37 IC1#23.38 IC1#23.39 IC1#23.40 IC1#23.41 IC1#23.42 IC1#23.43 IC1#23.44 IC1#23.45 IC1#23.46 IC1#23.47 IC1#23.48 IC1#23.49 IC1#23.50 IC1#23.51 IC1#23.52 IC1#23.53 IC1#23.54 IC1#23.55 IC1#23.56 IC1#23.57 IC1#23.58 IC1#23.59 IC1#23.60 IC1#23.61 IC1#24.1 IC1#24.2 IC1#24.11 IC1#24.14 IC1#24.36 IC1#24.37 IC1#24.38 IC1#24.39 IC1#24.40 IC1#24.41 IC1#24.42 IC1#24.43 IC1#24.44 IC1#24.45 IC1#24.46 IC1#24.47 IC1#24.48 IC1#24.49 IC1#24.50 IC1#24.51 IC1#24.52 IC1#24.53 IC1#24.54 IC1#24.55 IC1#24.56 IC1#24.57 IC1#24.58 IC1#24.59 IC1#24.60 IC1#24.61 J2.2 J2#2.2 J2#3.2 J2#4.2 J2#5.2 J2#6.2 J2#7.2 J2#8.2 J2#9.2 J2#10.2 J2#11.2 J2#12.2 J2#13.2 J2#14.2 J2#15.2 J2#16.2 J2#17.2 J2#18.2 J2#19.2 J2#20.2 J2#21.2 J2#22.2 J2#23.2 J2#24.2 J3.5 J3#2.5 J3#3.5 J3#4.5 J3#5.5 J3#6.5 J3#7.5 J3#8.5 J3#9.5 J3#10.5 J3#11.5 J3#12.5 J3#13.5 J3#14.5 J3#15.5 J3#16.5 J3#17.5 J3#18.5 J3#19.5 J3#20.5 J3#21.5 J3#22.5 J3#23.5 J3#24.5 J4.5 J4.6 J4#2.5 J4#2.6 J4#3.5 J4#3.6 J4#4.5 J4#4.6 J4#5.5 J4#5.6 J4#6.5 J4#6.6 J4#7.5 J4#7.6 J4#8.5 J4#8.6 J4#9.5 J4#9.6 J4#10.5 J4#10.6 J4#11.5 J4#11.6 J4#12.5 J4#12.6 J4#13.5 J4#13.6 J4#14.5 J4#14.6 J4#15.5 J4#15.6 J4#16.5 J4#16.6 J4#17.5 J4#17.6 J4#18.5 J4#18.6 J4#19.5 J4#19.6 J4#20.5 J4#20.6 J4#21.5 J4#21.6 J4#22.5 J4#22.6 J4#23.5 J4#23.6 J4#24.5 J4#24.6 R9.1 R9#2.1 R9#3.1 R9#4.1 R9#5.1 R9#6.1 R9#7.1 R9#8.1 R9#9.1 R9#10.1 R9#11.1 R9#12.1 R9#13.1 R9#14.1 R9#15.1 R9#16.1 R9#17.1 R9#18.1 R9#19.1 R9#20.1 R9#21.1 R9#22.1 R9#23.1 R9#24.1 R10.2 R10#2.2 R10#3.2 R10#4.2 R10#5.2 R10#6.2 R10#7.2 R10#8.2 R10#9.2 R10#10.2 R10#11.2 R10#12.2 R10#13.2 R10#14.2 R10#15.2 R10#16.2 R10#17.2 R10#18.2 R10#19.2 R10#20.2 R10#21.2 R10#22.2 R10#23.2 R10#24.2 R11.1 R11#2.1 R11#3.1 R11#4.1 R11#5.1 R11#6.1 R11#7.1 R11#8.1 R11#9.1 R11#10.1 R11#11.1 R11#12.1 R11#13.1 R11#14.1 R11#15.1 R11#16.1 R11#17.1 R11#18.1 R11#19.1 R11#20.1 R11#21.1 R11#22.1 R11#23.1 R11#24.1 SW1.1 SW1#2.1 SW1#3.1 SW1#4.1 SW1#5.1 SW1#6.1 SW1#7.1 SW1#8.1 SW1#9.1 SW1#10.1 SW1#11.1 SW1#12.1 SW1#13.1 SW1#14.1 SW1#15.1 SW1#16.1 SW1#17.1 SW1#18.1 SW1#19.1 SW1#20.1 SW1#21.1 SW1#22.1 SW1#23.1 SW1#24.1 U1.4 U1.5 U1#2.4 U1#2.5 U1#3.4 U1#3.5 U1#4.4 U1#4.5 U1#5.4 U1#5.5 U1#6.4 U1#6.5 U1#7.4 U1#7.5 U1#8.4 U1#8.5 U1#9.4 U1#9.5 U1#10.4 U1#10.5 U1#11.4 U1#11.5 U1#12.4 U1#12.5 U1#13.4 U1#13.5 U1#14.4 U1#14.5 U1#15.4 U1#15.5 U1#16.4 U1#16.5 U1#17.4 U1#17.5 U1#18.4 U1#18.5 U1#19.4 U1#19.5 U1#20.4 U1#20.5 U1#21.4 U1#21.5 U1#22.4 U1#22.5 U1#23.4 U1#23.5 U1#24.4 U1#24.5 U2.2 U2#2.2 U2#3.2 U2#4.2 U2#5.2 U2#6.2 U2#7.2 U2#8.2 U2#9.2 U2#10.2 U2#11.2 U2#12.2 U2#13.2 U2#14.2 U2#15.2 U2#16.2 U2#17.2 U2#18.2 U2#19.2 U2#20.2 U2#21.2 U2#22.2 U2#23.2 U2#24.2 U3.1 U3.5 U3.7 U3#2.1 U3#2.5 U3#2.7 U3#3.1 U3#3.5 U3#3.7 U3#4.1 U3#4.5 U3#4.7 U3#5.1 U3#5.5 U3#5.7 U3#6.1 U3#6.5 U3#6.7 U3#7.1 U3#7.5 U3#7.7 U3#8.1 U3#8.5 U3#8.7 U3#9.1 U3#9.5 U3#9.7 U3#10.1 U3#10.5 U3#10.7 U3#11.1 U3#11.5 U3#11.7 U3#12.1 U3#12.5 U3#12.7 U3#13.1 U3#13.5 U3#13.7 U3#14.1 U3#14.5 U3#14.7 U3#15.1 U3#15.5 U3#15.7 U3#16.1 U3#16.5 U3#16.7 U3#17.1 U3#17.5 U3#17.7 U3#18.1 U3#18.5 U3#18.7 U3#19.1 U3#19.5 U3#19.7 U3#20.1 U3#20.5 U3#20.7 U3#21.1 U3#21.5 U3#21.7 U3#22.1 U3#22.5 U3#22.7 U3#23.1 U3#23.5 U3#23.7 U3#24.1 U3#24.5 U3#24.7 U4.2 U4.7 U4#2.2 U4#2.7 U4#3.2 U4#3.7 U4#4.2 U4#4.7 U4#5.2 U4#5.7 U4#6.2 U4#6.7 U4#7.2 U4#7.7 U4#8.2 U4#8.7 U4#9.2 U4#9.7 U4#10.2 U4#10.7 U4#11.2 U4#11.7 U4#12.2 U4#12.7 U4#13.2 U4#13.7 U4#14.2 U4#14.7 U4#15.2 U4#15.7 U4#16.2 U4#16.7 U4#17.2 U4#17.7 U4#18.2 U4#18.7 U4#19.2 U4#19.7 U4#20.2 U4#20.7 U4#21.2 U4#21.7 U4#22.2 U4#22.7 U4#23.2 U4#23.7 U4#24.2 U4#24.7 U5.2 U5.5 U5#2.2 U5#2.5 U5#3.2 U5#3.5 U5#4.2 U5#4.5 U5#5.2 U5#5.5 U5#6.2 U5#6.5 U5#7.2 U5#7.5 U5#8.2 U5#8.5 U5#9.2 U5#9.5 U5#10.2 U5#10.5 U5#11.2 U5#11.5 U5#12.2 U5#12.5 U5#13.2 U5#13.5 U5#14.2 U5#14.5 U5#15.2 U5#15.5 U5#16.2 U5#16.5 U5#17.2 U5#17.5 U5#18.2 U5#18.5 U5#19.2 U5#19.5 U5#20.2 U5#20.5 U5#21.2 U5#21.5 U5#22.2 U5#22.5 U5#23.2 U5#23.5 U5#24.2 U5#24.5